# KiCad board Eclipse65.kicad_pcb
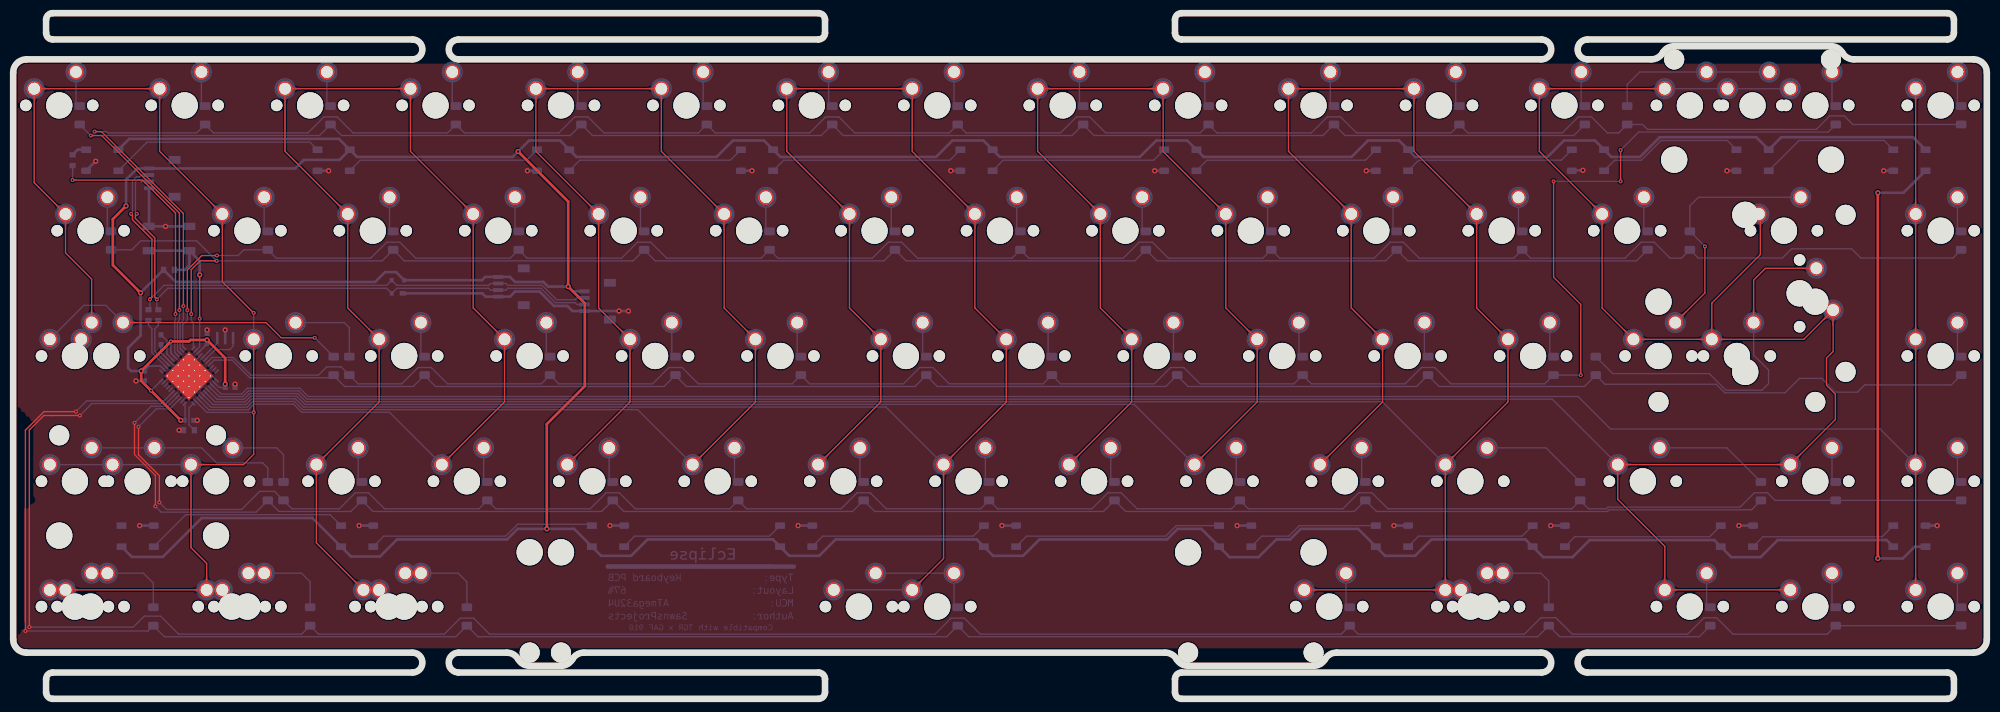
[diagram p0: board, top side]
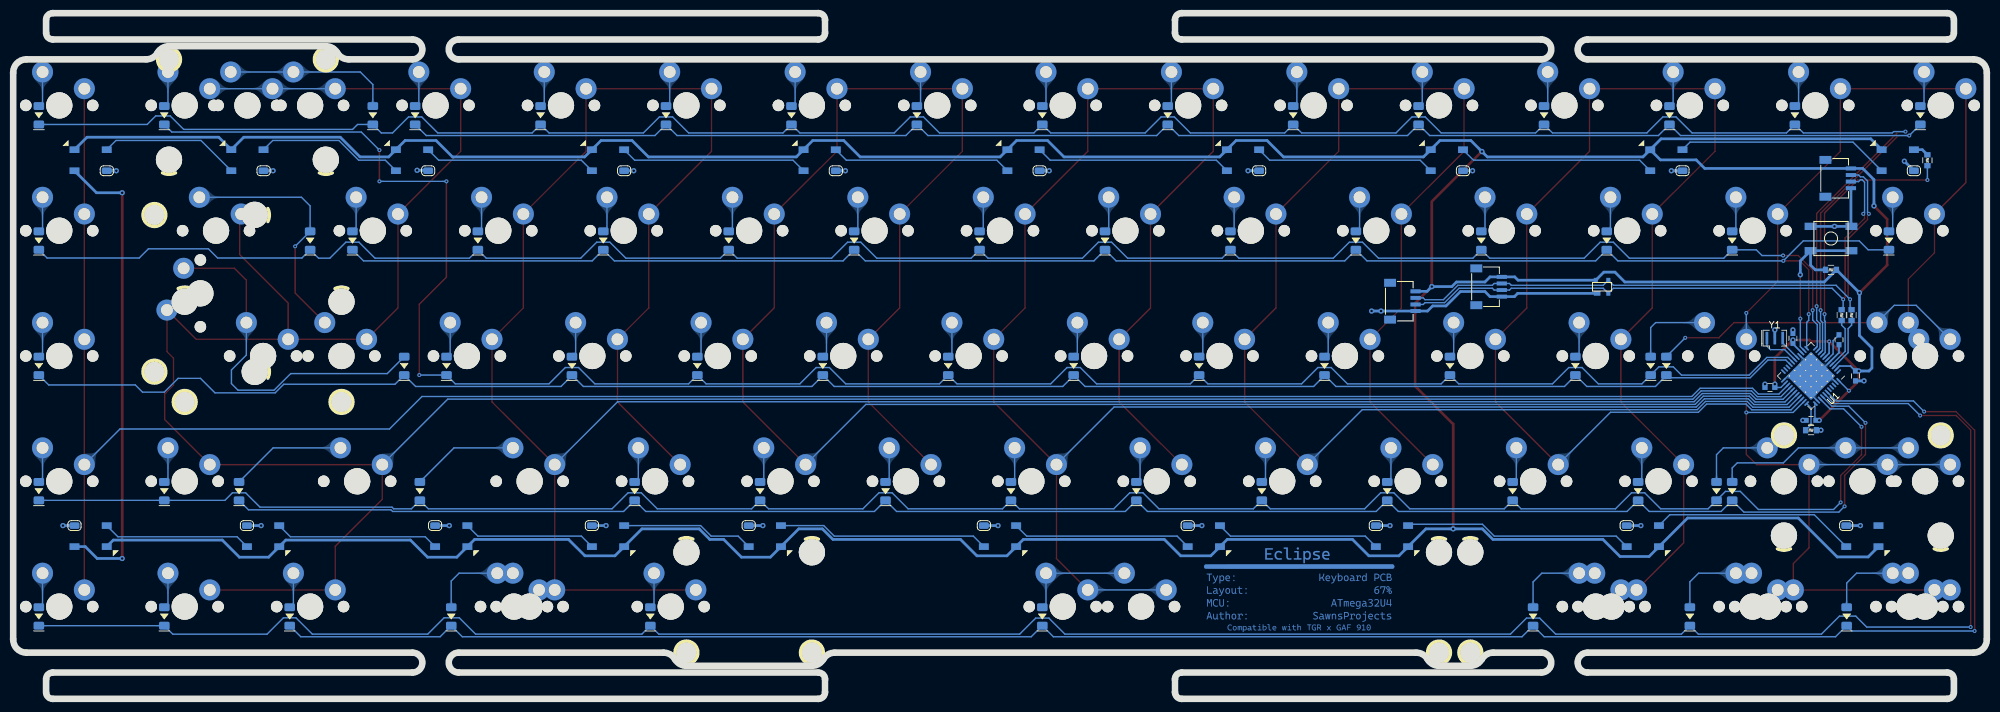
[diagram p1: board, bottom side, seen from below]

Outline 299.75 x 104.25 mm; copper layers: Top, Bottom. Coordinates in mm from the lower left corner of the outline.
Outline path: 0,95.22 0,9.03 arc(0.59,7.61) 2,7.03 60.64,7.03 arc(62.15,5.51) 60.64,4 6,4 arc(5.29,3.71) 5,3 5,1 arc(5.29,0.29) 6,0 122.3,0 arc(123.01,0.29) 123.3,1 123.3,3 arc(123.01,3.71) 122.3,4 67.66,4 arc(66.15,5.51) 67.66,7.03 74.97,7.03 arc(75.97,6.76) 76.7,6.03 arc(77.44,5.29) 78.44,5.02 83.2,5.02 arc(84.21,5.29) 84.94,6.03 arc(85.67,6.76) 86.67,7.03 174.97,7.03 arc(175.97,6.76) 176.7,6.03 arc(177.44,5.29) 178.44,5.02 197.5,5.02 arc(198.51,5.29) 199.24,6.03 arc(199.97,6.76) 200.97,7.03 232.09,7.03 arc(233.6,5.51) 232.09,4 177.45,4 arc(176.74,3.71) 176.45,3 176.45,1 arc(176.74,0.29) 177.45,0 293.75,0 arc(294.46,0.29) 294.75,1 294.75,3 arc(294.46,3.71) 293.75,4 239.11,4 arc(237.6,5.51) 239.11,7.03 297.75,7.03 arc(299.16,7.61) 299.75,9.03 299.75,95.22 arc(299.16,96.64) 297.75,97.22 279.55,97.22 arc(278.56,97.49) 277.82,98.22 arc(277.09,98.96) 276.08,99.23 252.27,99.23 arc(251.26,98.96) 250.53,98.22 arc(249.79,97.49) 248.8,97.22 239.11,97.22 arc(237.6,98.74) 239.11,100.25 293.75,100.25 arc(294.46,100.54) 294.75,101.25 294.75,103.25 arc(294.46,103.96) 293.75,104.25 177.45,104.25 arc(176.74,103.96) 176.45,103.25 176.45,101.25 arc(176.74,100.54) 177.45,100.25 232.09,100.25 arc(233.6,98.74) 232.09,97.22 67.66,97.22 arc(66.15,98.74) 67.66,100.25 122.3,100.25 arc(123.01,100.54) 123.3,101.25 123.3,103.25 arc(123.01,103.96) 122.3,104.25 6,104.25 arc(5.29,103.96) 5,103.25 5,101.25 arc(5.29,100.54) 6,100.25 60.64,100.25 arc(62.15,98.74) 60.64,97.22 2,97.22 arc(0.59,96.64) 0,95.22

## Placement (name value [footprint] x y rotation side)
C1  1uF  [C_0603]  22.45 54.59 270 bottom
C2  10uF  [C_0603]  19.95 49.09 90 bottom
C3  0.1uF  [C_0603]  32.95 47.34 180 bottom
C4  0.1uF  [C_0603]  26.7 42.34 180 bottom
C5  0.1uF  [C_0603]  29.45 54.81 270 bottom
D1  1N4148W  [DIODE_1206_SawnsProjects]  10.1 88.72 90 bottom
D2  1N4148W  [DIODE_1206_SawnsProjects]  29.15 88.72 90 bottom
D3  1N4148W  [DIODE_1206_SawnsProjects]  48.2 88.72 90 bottom
D4  1N4148W  [DIODE_1206_SawnsProjects]  67.25 88.72 90 bottom
D5  1N4148W  [DIODE_1206_SawnsProjects]  86.3 88.72 90 bottom
D6  1N4148W  [DIODE_1206_SawnsProjects]  105.35 88.72 90 bottom
D7  1N4148W  [DIODE_1206_SawnsProjects]  124.4 88.72 90 bottom
D8  1N4148W  [DIODE_1206_SawnsProjects]  143.45 88.72 90 bottom
D9  1N4148W  [DIODE_1206_SawnsProjects]  162.5 88.72 90 bottom
D10  1N4148W  [DIODE_1206_SawnsProjects]  181.55 88.72 90 bottom
D11  1N4148W  [DIODE_1206_SawnsProjects]  200.6 88.72 90 bottom
D12  1N4148W  [DIODE_1206_SawnsProjects]  219.65 88.72 90 bottom
D13  1N4148W  [DIODE_1206_SawnsProjects]  238.7 88.72 90 bottom
D14  1N4148W  [DIODE_1206_SawnsProjects]  245.13 88.72 90 bottom
D15  1N4148W  [DIODE_1206_SawnsProjects]  276.8 88.72 90 bottom
D16  1N4148W  [DIODE_1206_SawnsProjects]  202.98 12.52 90 bottom
D17  1N4148W  [DIODE_1206_SawnsProjects]  14.86 69.67 90 bottom
D18  1N4148W  [DIODE_1206_SawnsProjects]  38.67 69.67 90 bottom
D19  1N4148W  [DIODE_1206_SawnsProjects]  57.72 69.67 90 bottom
D20  1N4148W  [DIODE_1206_SawnsProjects]  76.77 69.67 90 bottom
D21  1N4148W  [DIODE_1206_SawnsProjects]  95.82 69.67 90 bottom
D22  1N4148W  [DIODE_1206_SawnsProjects]  114.87 69.67 90 bottom
D23  1N4148W  [DIODE_1206_SawnsProjects]  133.92 69.67 90 bottom
D24  1N4148W  [DIODE_1206_SawnsProjects]  152.97 69.67 90 bottom
D25  1N4148W  [DIODE_1206_SawnsProjects]  172.02 69.67 90 bottom
D26  1N4148W  [DIODE_1206_SawnsProjects]  191.07 69.67 90 bottom
D27  1N4148W  [DIODE_1206_SawnsProjects]  210.12 69.67 90 bottom
D28  1N4148W  [DIODE_1206_SawnsProjects]  229.17 69.67 90 bottom
D29  1N4148W  [DIODE_1206_SawnsProjects]  248.22 69.67 90 bottom
D30  1N4148W  [DIODE_1206_SawnsProjects]  254.65 69.67 90 bottom
D31  1N4148W  [DIODE_1206_SawnsProjects]  295.85 88.72 90 bottom
D32  1N4148W  [DIODE_1206_SawnsProjects]  295.85 69.67 90 bottom
D33  1N4148W  [DIODE_1206_SawnsProjects]  48.67 50.62 90 bottom
D34  1N4148W  [DIODE_1206_SawnsProjects]  51.05 50.62 90 bottom
D35  1N4148W  [DIODE_1206_SawnsProjects]  62.49 50.62 90 bottom
D36  1N4148W  [DIODE_1206_SawnsProjects]  81.54 50.62 90 bottom
D37  1N4148W  [DIODE_1206_SawnsProjects]  100.59 50.62 90 bottom
D38  1N4148W  [DIODE_1206_SawnsProjects]  119.64 50.62 90 bottom
D39  1N4148W  [DIODE_1206_SawnsProjects]  138.69 50.62 90 bottom
D40  1N4148W  [DIODE_1206_SawnsProjects]  157.74 50.62 90 bottom
D41  1N4148W  [DIODE_1206_SawnsProjects]  176.79 50.62 90 bottom
D42  1N4148W  [DIODE_1206_SawnsProjects]  195.84 50.62 90 bottom
D43  1N4148W  [DIODE_1206_SawnsProjects]  214.89 50.62 90 bottom
D44  1N4148W  [DIODE_1206_SawnsProjects]  233.94 50.62 90 bottom
D45  1N4148W  [DIODE_1206_SawnsProjects]  240.36 50.62 90 bottom
D46  1N4148W  [DIODE_1206_SawnsProjects]  295.85 50.62 90 bottom
D47  1N4148W  [DIODE_1206_SawnsProjects]  295.85 31.57 90 bottom
D48  1N4148W  [DIODE_1206_SawnsProjects]  295.85 12.52 90 bottom
D49  1N4148W  [DIODE_1206_SawnsProjects]  38.67 31.57 90 bottom
D50  1N4148W  [DIODE_1206_SawnsProjects]  41.06 31.57 90 bottom
D51  1N4148W  [DIODE_1206_SawnsProjects]  52.96 31.57 90 bottom
D52  1N4148W  [DIODE_1206_SawnsProjects]  72.01 31.57 90 bottom
D53  1N4148W  [DIODE_1206_SawnsProjects]  91.06 31.57 90 bottom
D54  1N4148W  [DIODE_1206_SawnsProjects]  110.11 31.57 90 bottom
D55  1N4148W  [DIODE_1206_SawnsProjects]  129.16 31.57 90 bottom
D56  1N4148W  [DIODE_1206_SawnsProjects]  148.21 31.57 90 bottom
D57  1N4148W  [DIODE_1206_SawnsProjects]  167.26 31.57 90 bottom
D58  1N4148W  [DIODE_1206_SawnsProjects]  186.31 31.57 90 bottom
D59  1N4148W  [DIODE_1206_SawnsProjects]  205.36 31.57 90 bottom
D60  1N4148W  [DIODE_1206_SawnsProjects]  237.98 31.57 90 bottom
D62  1N4148W  [DIODE_1206_SawnsProjects]  265.45 31.57 90 bottom
D63  1N4148W  [DIODE_1206_SawnsProjects]  276.8 31.57 90 bottom
D65  1N4148W  [DIODE_1206_SawnsProjects]  21.29 12.52 90 bottom
D66  1N4148W  [DIODE_1206_SawnsProjects]  45.1 12.52 90 bottom
D67  1N4148W  [DIODE_1206_SawnsProjects]  68.91 12.52 90 bottom
D68  1N4148W  [DIODE_1206_SawnsProjects]  233.22 12.52 90 bottom
D69  1N4148W  [DIODE_1206_SawnsProjects]  143.45 12.52 90 bottom
D71  1N4148W  [DIODE_1206_SawnsProjects]  257.75 12.52 90 bottom
D72  1N4148W  [DIODE_1206_SawnsProjects]  276.8 12.52 90 bottom
Eclipse  LOGO  [Eclipse]  101.64 16.34 0 top
G***  LOGO  [sanpjxlogo]  165.44 15.44 0 top
G***#2  LOGO  [Eclipse65]  104.44 16.56 180 bottom
G***#3  LOGO  [Eclipse65Cu]  104.44 16.56 180 bottom
J1  Daughterboard  [JST-SR-4]  91.53 60.46 270 bottom
J2  Daughterboard  [JST-SR-4]  25.41 79.14 270 bottom
J3  Daughterboard  [JST-SR-4]  78.44 62.65 270 bottom
MX1  1U  [MXOnly-1U-NoLED]  7 90.22 0 top
MX2  1U  [MXOnly-1U-NoLED]  26.05 90.22 0 top
MX3  1U  [MXOnly-1U-NoLED]  45.1 90.22 0 top
MX4  1U  [MXOnly-1U-NoLED]  64.15 90.22 0 top
MX5  1U  [MXOnly-1U-NoLED]  83.2 90.22 0 top
MX6  1U  [MXOnly-1U-NoLED]  102.25 90.22 0 top
MX7  1U  [MXOnly-1U-NoLED]  121.3 90.22 0 top
MX8  1U  [MXOnly-1U-NoLED]  140.35 90.22 0 top
MX9  1U  [MXOnly-1U-NoLED]  159.4 90.22 0 top
MX10  1U  [MXOnly-1U-NoLED]  178.45 90.22 0 top
MX11  1U  [MXOnly-1U-NoLED]  197.5 90.22 0 top
MX12  1U  [MXOnly-1U-NoLED]  216.55 90.22 0 top
MX13  1U  [MXOnly-1U-NoLED]  235.6 90.22 0 top
MX14  1U  [MXOnly-1U-NoLED]  254.65 90.22 0 top
MX15  1U  [MXOnly-1U-NoLED]  273.7 90.22 0 top
MX16  1.5U  [MXOnly-1.5U-NoLED]  221.31 14.02 0 top
MX17  1.5U  [MXOnly-1.5U-NoLED]  11.76 71.17 0 top
MX18  1U  [MXOnly-1U-NoLED]  35.58 71.17 0 top
MX19  1U  [MXOnly-1U-NoLED]  54.63 71.17 0 top
MX20  1U  [MXOnly-1U-NoLED]  73.68 71.17 0 top
MX21  1U  [MXOnly-1U-NoLED]  92.73 71.17 0 top
MX22  1U  [MXOnly-1U-NoLED]  111.78 71.17 0 top
MX23  1U  [MXOnly-1U-NoLED]  130.83 71.17 0 top
MX24  1U  [MXOnly-1U-NoLED]  149.88 71.17 0 top
MX25  1U  [MXOnly-1U-NoLED]  168.93 71.17 0 top
MX26  1U  [MXOnly-1U-NoLED]  187.98 71.17 0 top
MX27  1U  [MXOnly-1U-NoLED]  207.03 71.17 0 top
MX28  1U  [MXOnly-1U-NoLED]  226.08 71.17 0 top
MX29  1U  [MXOnly-1U-NoLED]  245.13 71.17 0 top
MX30  1.5U  [MXOnly-1.5U-NoLED]  268.94 71.17 0 top
MX31  2.25U  [MXOnly-2.25U-NoLED]  18.91 33.07 0 top
MX33  1.75U  [MXOnly-1.75U-NoLED]  14.14 52.12 0 top
MX34  1U  [MXOnly-1U-NoLED]  40.34 52.12 0 top
MX35  1U  [MXOnly-1U-NoLED]  59.39 52.12 0 top
MX36  1U  [MXOnly-1U-NoLED]  78.44 52.12 0 top
MX37  1U  [MXOnly-1U-NoLED]  97.49 52.12 0 top
MX38  1U  [MXOnly-1U-NoLED]  116.54 52.12 0 top
MX39  1U  [MXOnly-1U-NoLED]  135.59 52.12 0 top
MX40  1U  [MXOnly-1U-NoLED]  154.64 52.12 0 top
MX41  1U  [MXOnly-1U-NoLED]  173.69 52.12 0 top
MX42  1U  [MXOnly-1U-NoLED]  192.74 52.12 0 top
MX43  1U  [MXOnly-1U-NoLED]  211.79 52.12 0 top
MX44  1U  [MXOnly-1U-NoLED]  230.84 52.12 0 top
MX45  2.25U  [MXOnly-2.25U-ReversedStabilizers-NoLED]  261.79 52.12 0 top
MX46  1U  [MXOnly-2U-NoLED]  264.18 90.22 0 top
MX49  1.25U  [MXOnly-1.25U-NoLED]  9.38 33.07 0 top
MX50  1U  [MXOnly-1U-NoLED]  30.81 33.07 0 top
MX51  1U  [MXOnly-1U-NoLED]  49.86 33.07 0 top
MX52  1U  [MXOnly-1U-NoLED]  68.91 33.07 0 top
MX53  1U  [MXOnly-1U-NoLED]  87.96 33.07 0 top
MX54  1U  [MXOnly-1U-NoLED]  107.01 33.07 0 top
MX55  1U  [MXOnly-1U-NoLED]  126.06 33.07 0 top
MX56  1U  [MXOnly-1U-NoLED]  145.11 33.07 0 top
MX57  1U  [MXOnly-1U-NoLED]  164.16 33.07 0 top
MX58  1U  [MXOnly-1U-NoLED]  183.21 33.07 0 top
MX59  1U  [MXOnly-1U-NoLED]  202.26 33.07 0 top
MX60  1U  [MXOnly-1U-NoLED]  221.31 33.07 0 top
MX62  1.75U  [MXOnly-1.75U-NoLED]  247.51 33.07 0 top
MX63  1U  [MXOnly-1U-NoLED]  273.7 33.07 0 top
MX64  1.25U  [MXOnly-1.25U-NoLED]  199.88 14.02 0 top
MX65  1.25U  [MXOnly-1.25U-NoLED]  9.38 52.12 0 top
MX66  1.25U  [MXOnly-1.25U-NoLED]  9.38 14.02 0 top
MX67  1.25U  [MXOnly-1.25U-NoLED]  33.19 14.02 0 top
MX68  1.25U  [MXOnly-1.25U-NoLED]  57.01 14.02 0 top
MX69  1.25U  [MXOnly-1.25U-NoLED]  223.69 14.02 0 top
MX70  6.25U  [MXOnly-6.25U-ReversedStabilizers-NoLED]  128.44 14.02 0 top
MX71  1U  [MXOnly-1U-NoLED]  273.7 14.02 0 top
MX72  1U  [MXOnly-1U-NoLED]  254.65 14.02 0 top
MX79  7U  [MXOnly-7U-ReversedStabilizers-NoLED]  140.35 14.02 0 top
MX80  1.5U  [MXOnly-1.5U-NoLED]  11.76 14.02 0 top
MX81  1.5U  [MXOnly-1.5U-NoLED]  59.39 14.02 0 top
MX82  1U  [MXOnly-1U-NoLED]  35.58 14.02 0 top
MX83  1U  [MXOnly-1U-NoLED]  249.89 52.12 0 top
MX84  ISO  [MXOnly-ISO-ROTATED-ReversedStabilizers-NoLED]  271.32 61.65 0 top
MX85  1U  [MXOnly-1U-NoLED]  292.75 90.22 0 top
MX86  1U  [MXOnly-1U-NoLED]  292.75 14.02 0 top
MX88  1U  [MXOnly-1U-NoLED]  292.75 71.17 0 top
MX89  1U  [MXOnly-1U-NoLED]  292.75 52.12 0 top
MX90  1U  [MXOnly-1U-NoLED]  292.75 33.07 0 top
R1  10k  [R_0603]  26.7 40.84 0 bottom
R2  22R  [R_0603]  22.04 58.34 90 bottom
R3  22R  [R_0603]  20.54 58.34 270 bottom
R4  10k  [R_0603]  23.67 65.22 0 bottom
R5  300R  [R_0603]  9.03 81.89 90 bottom
RGB1  WS2812B  [LED_WS2812B_PLCC4_5.0x5.0mm_P3.2mm]  13.53 81.89 180 bottom
RGB2  WS2812B  [LED_WS2812B_PLCC4_5.0x5.0mm_P3.2mm]  48.67 81.89 180 bottom
RGB3  WS2812B  [LED_WS2812B_PLCC4_5.0x5.0mm_P3.2mm]  82.01 81.89 180 bottom
RGB4  WS2812B  [LED_WS2812B_PLCC4_5.0x5.0mm_P3.2mm]  112.97 81.89 180 bottom
RGB5  WS2812B  [LED_WS2812B_PLCC4_5.0x5.0mm_P3.2mm]  146.3 81.89 180 bottom
RGB6  WS2812B  [LED_WS2812B_PLCC4_5.0x5.0mm_P3.2mm]  177.26 81.89 180 bottom
RGB7  WS2812B  [LED_WS2812B_PLCC4_5.0x5.0mm_P3.2mm]  209.41 81.89 180 bottom
RGB8  WS2812B  [LED_WS2812B_PLCC4_5.0x5.0mm_P3.2mm]  239.17 81.89 180 bottom
RGB9  WS2812B  [LED_WS2812B_PLCC4_5.0x5.0mm_P3.2mm]  264.18 81.89 180 bottom
RGB10  WS2812B  [LED_WS2812B_PLCC4_5.0x5.0mm_P3.2mm]  18.91 24.74 0 bottom
RGB11  WS2812B  [LED_WS2812B_PLCC4_5.0x5.0mm_P3.2mm]  52.24 24.74 0 bottom
RGB12  WS2812B  [LED_WS2812B_PLCC4_5.0x5.0mm_P3.2mm]  90.34 24.74 0 bottom
RGB13  WS2812B  [LED_WS2812B_PLCC4_5.0x5.0mm_P3.2mm]  118.92 24.74 0 bottom
RGB14  WS2812B  [LED_WS2812B_PLCC4_5.0x5.0mm_P3.2mm]  149.88 24.74 0 bottom
RGB15  WS2812B  [LED_WS2812B_PLCC4_5.0x5.0mm_P3.2mm]  185.59 24.74 0 bottom
RGB16  WS2812B  [LED_WS2812B_PLCC4_5.0x5.0mm_P3.2mm]  209.41 24.74 0 bottom
RGB17  WS2812B  [LED_WS2812B_PLCC4_5.0x5.0mm_P3.2mm]  233.22 24.74 0 bottom
RGB18  WS2812B  [LED_WS2812B_PLCC4_5.0x5.0mm_P3.2mm]  261.79 24.74 0 bottom
RGB19  WS2812B  [LED_WS2812B_PLCC4_5.0x5.0mm_P3.2mm]  287.99 81.89 180 bottom
RGB20  WS2812B  [LED_WS2812B_PLCC4_5.0x5.0mm_P3.2mm]  287.99 24.74 0 bottom
SW1  SW_Push  [SKQG-1155865-fix]  23.67 69.98 0 bottom
U1  ATmega32U4-MU  [QFN-44-1EP_7x7mm_P0.5mm_EP5.15x5.15mm_ThermalVias]  26.7 49.09 315 bottom
U2  PRTR5V0U2X  [SOT143B]  58.44 62.65 90 bottom
Y1  16MHz  [Resonator_SMD_muRata_CSTxExxV-3Pin_3.0x1.1mm]  32.2 54.84 180 bottom

## Footprints (pads in the part's own frame, mm; a bottom-side part is the same pattern mirrored in y, then rotated)
C_0603
  rect 0.8x0.75 smd: 1(-0.75,0) 2(0.75,0)
DIODE_1206_SawnsProjects
  rrect 1.2x1.6 smd: 1(-1.4,0) 2(1.4,0)
JST-SR-4
  rect 1.2x1.8 smd: (-2.8,0.9) (2.8,0.9)
  rect 0.6x1.55 smd: 1(-1.5,4.775) 2(-0.5,4.775) 3(0.5,4.775) 4(1.5,4.775)
LED_WS2812B_PLCC4_5.0x5.0mm_P3.2mm
  rect 1.5x1 smd: 1(-2.45,1.6) 2(-2.45,-1.6) 4(2.45,1.6)
  rrect 1.5x1 smd: 3(2.45,-1.6)
MXOnly-1.5U-NoLED
  round 1.75 hole 1.75 unplated: (-5.08,0) (5.08,0)
  round 2.8 smd: (-3.81,2.54) (2.54,5.08)
  round 3.988 hole 3.988 unplated: (0,0)
  round 1 smd: (3.099,0)
  round 2.4 hole 1.8: 1(-3.81,2.54) 2(2.54,5.08)
  round 3.2 smd far side: 1(-3.81,2.54) 2(2.54,5.08)
MXOnly-1.25U-NoLED
  round 1.75 hole 1.75 unplated: (-5.08,0) (5.08,0)
  round 2.8 smd: (-3.81,2.54) (2.54,5.08)
  round 3.988 hole 3.988 unplated: (0,0)
  round 1 smd: (3.099,0)
  round 2.4 hole 1.8: 1(-3.81,2.54) 2(2.54,5.08)
  round 3.2 smd far side: 1(-3.81,2.54) 2(2.54,5.08)
MXOnly-1.75U-NoLED
  round 1.75 hole 1.75 unplated: (-5.08,0) (5.08,0)
  round 2.8 smd: (-3.81,2.54) (2.54,5.08)
  round 3.988 hole 3.988 unplated: (0,0)
  round 1 smd: (3.099,0)
  round 2.4 hole 1.8: 1(-3.81,2.54) 2(2.54,5.08)
  round 3.2 smd far side: 1(-3.81,2.54) 2(2.54,5.08)
MXOnly-1U-NoLED
  round 1.75 hole 1.75 unplated: (-5.08,0) (5.08,0)
  round 2.8 smd: (-3.81,2.54) (2.54,5.08)
  round 3.988 hole 3.988 unplated: (0,0)
  round 1 smd: (3.099,0)
  round 2.4 hole 1.8: 1(-3.81,2.54) 2(2.54,5.08)
  round 3.2 smd far side: 1(-3.81,2.54) 2(2.54,5.08)
MXOnly-2.25U-NoLED
  round 3.048 hole 3.048 unplated: (-11.906,6.985) (11.906,6.985)
  round 3.988 hole 3.988 unplated: (-11.906,-8.255) (0,0) (11.906,-8.255)
  round 1.75 hole 1.75 unplated: (-5.08,0) (5.08,0)
  round 2.8 smd: (-3.81,2.54) (2.54,5.08)
  round 1 smd: (3.099,0)
  round 2.4 hole 1.8: 1(-3.81,2.54) 2(2.54,5.08)
  round 3.2 smd far side: 1(-3.81,2.54) 2(2.54,5.08)
MXOnly-2.25U-ReversedStabilizers-NoLED
  round 3.988 hole 3.988 unplated: (-11.906,8.255) (0,0) (11.906,8.255)
  round 3.048 hole 3.048 unplated: (-11.906,-6.985) (11.906,-6.985)
  round 1.75 hole 1.75 unplated: (-5.08,0) (5.08,0)
  round 2.8 smd: (-3.81,2.54) (2.54,5.08)
  round 1 smd: (3.099,0)
  round 2.4 hole 1.8: 1(-3.81,2.54) 2(2.54,5.08)
  round 3.2 smd far side: 1(-3.81,2.54) 2(2.54,5.08)
MXOnly-2U-NoLED
  round 3.048 hole 3.048 unplated: (-11.906,6.985) (11.906,6.985)
  round 3.988 hole 3.988 unplated: (-11.906,-8.255) (0,0) (11.906,-8.255)
  round 1.75 hole 1.75 unplated: (-5.08,0) (5.08,0)
  round 2.8 smd: (-3.81,2.54) (2.54,5.08)
  round 1 smd: (3.099,0)
  round 2.4 hole 1.8: 1(-3.81,2.54) 2(2.54,5.08)
  round 3.2 smd far side: 1(-3.81,2.54) 2(2.54,5.08)
MXOnly-6.25U-ReversedStabilizers-NoLED
  round 3.988 hole 3.988 unplated: (-50,8.255) (0,0) (50,8.255)
  round 3.048 hole 3.048 unplated: (-50,-6.985) (50,-6.985)
  round 1.75 hole 1.75 unplated: (-5.08,0) (5.08,0)
  round 2.8 smd: (-3.81,2.54) (2.54,5.08)
  round 1 smd: (3.099,0)
  round 2.4 hole 1.8: 1(-3.81,2.54) 2(2.54,5.08)
  round 3.2 smd far side: 1(-3.81,2.54) 2(2.54,5.08)
MXOnly-7U-ReversedStabilizers-NoLED
  round 3.988 hole 3.988 unplated: (-57.15,8.255) (0,0) (57.15,8.255)
  round 3.048 hole 3.048 unplated: (-57.15,-6.985) (57.15,-6.985)
  round 1.75 hole 1.75 unplated: (-5.08,0) (5.08,0)
  round 2.8 smd: (-3.81,2.54) (2.54,5.08)
  round 1 smd: (3.099,0)
  round 2.4 hole 1.8: 1(-3.81,2.54) 2(2.54,5.08)
  round 3.2 smd far side: 1(-3.81,2.54) 2(2.54,5.08)
MXOnly-ISO-ROTATED-ReversedStabilizers-NoLED
  round 3.988 hole 3.988 unplated: (-8.255,11.938) (-8.255,-11.938) (0,0)
  round 1.75 hole 1.75 unplated: (0,5.08) (0,-5.08)
  round 1 smd: (0,-3.099)
  round 2.8 smd: (2.54,3.81) (5.08,-2.54)
  round 3.048 hole 3.048 unplated: (6.985,11.938) (6.985,-11.938)
  round 2.4 hole 1.8: 1(2.54,3.81) 2(5.08,-2.54)
  round 3.2 smd far side: 1(2.54,3.81) 2(5.08,-2.54)
QFN-44-1EP_7x7mm_P0.5mm_EP5.15x5.15mm_ThermalVias
  rrect 0.997x0.997 smd: (-1.744,-1.744) (-1.744,-0.581) (-1.744,0.581) (-1.744,1.744) (-0.581,-1.744) (-0.581,-0.581) (-0.581,0.581) (-0.581,1.744) (0.581,-1.744) (0.581,-0.581) (0.581,0.581) (0.581,1.744) (1.744,-1.744) (1.744,-0.581) (1.744,0.581) (1.744,1.744)
  rrect 0.875x0.25 smd: 1(-3.438,2.5) 2(-3.438,2) 3(-3.438,1.5) 4(-3.438,1) 5(-3.438,0.5) 6(-3.438,0) 7(-3.438,-0.5) 8(-3.438,-1) 9(-3.438,-1.5) 10(-3.438,-2) 11(-3.438,-2.5) 23(3.438,-2.5) 24(3.438,-2) 25(3.438,-1.5) 26(3.438,-1) 27(3.438,-0.5) 28(3.438,0) 29(3.438,0.5) 30(3.438,1) 31(3.438,1.5) 32(3.438,2) 33(3.438,2.5)
  rrect 0.25x0.875 smd: 12(-2.5,-3.438) 13(-2,-3.438) 14(-1.5,-3.438) 15(-1,-3.438) 16(-0.5,-3.438) 17(0,-3.438) 18(0.5,-3.438) 19(1,-3.438) 20(1.5,-3.438) 21(2,-3.438) 22(2.5,-3.438) 34(2.5,3.438) 35(2,3.438) 36(1.5,3.438) 37(1,3.438) 38(0.5,3.438) 39(0,3.438) 40(-0.5,3.438) 41(-1,3.438) 42(-1.5,3.438) 43(-2,3.438) 44(-2.5,3.438)
  round 0.5 hole 0.2: 45(-2.325,-2.325) 45(-2.325,-1.163) 45(-2.325,0) 45(-2.325,1.163) 45(-2.325,2.325) 45(-1.163,0) 45(-1.163,-2.325) 45(-1.163,-1.163) 45(-1.163,1.163) 45(-1.163,2.325) 45(0,-2.325) 45(0,-1.163) 45(0,0) 45(0,1.163) 45(0,2.325) 45(1.163,-2.325) 45(1.163,-1.163) 45(1.163,1.163) 45(1.163,2.325) 45(1.163,0) 45(2.325,-2.325) 45(2.325,-1.163) 45(2.325,0) 45(2.325,1.163) 45(2.325,2.325)
  rect 5.15x5.15 smd far side: 45(0,0)
  rect 5.15x5.15 smd: 45(0,0)
R_0603
  rect 0.8x0.95 smd: 1(-0.825,0) 2(0.825,0)
Resonator_SMD_muRata_CSTxExxV-3Pin_3.0x1.1mm
  rect 0.4x1.9 smd: 1(-1.2,0) 2(0,0) 3(1.2,0)
SKQG-1155865-fix
  rect 1.8x1.1 smd: 1(-3.1,-1.85) 1(3.1,-1.85) 2(-3.1,1.85) 2(3.1,1.85)
SOT143B
  rect 0.7x1 smd: 1(-1,0.75)
  rect 0.7x0.6 smd: 2(-1,-0.95) 3(1,-0.95) 4(1,0.95)

## Nets
+5V: C2.2 C3.2 C4.2 C5.2 J1.1 J2.1 J3.1 R4.1 RGB1.1 RGB2.1 RGB3.1 RGB4.1 RGB5.1 RGB6.1 RGB7.1 RGB8.1 RGB9.1 RGB10.1 RGB11.1 RGB12.1 RGB13.1 RGB14.1 RGB15.1 RGB16.1 RGB17.1 RGB18.1 RGB19.1 RGB20.1 U1.2 U1.7 U1.14 U1.24 U1.34 U1.44 U2.4
GND: C1.2 C2.1 C3.1 C4.1 C5.1 J1.4 J2.4 J3.4 R1.1 RGB1.3 RGB2.3 RGB3.3 RGB4.3 RGB5.3 RGB6.3 RGB7.3 RGB8.3 RGB9.3 RGB10.3 RGB11.3 RGB12.3 RGB13.3 RGB14.3 RGB15.3 RGB16.3 RGB17.3 RGB18.3 RGB19.3 RGB20.3 SW1.1 U1.5 U1.15 U1.23 U1.35 U1.43 U1.45 U2.1 Y1.2
/M+: R2.1 U1.4
/M-: R3.2 U1.3
C0: MX1.1 MX2.1 MX17.1 MX18.1 MX31.1 MX33.1 MX34.1 MX49.1 MX50.1 MX65.2 MX66.1 MX67.1 MX80.1 MX82.1 U1.32
C1: MX3.1 MX4.1 MX19.1 MX20.1 MX35.1 MX36.1 MX51.1 MX52.1 MX68.1 MX81.1 U1.31
C2: MX5.1 MX6.1 MX21.1 MX22.1 MX37.1 MX38.1 MX53.1 MX54.1 U1.30
C3: MX7.1 MX8.1 MX23.1 MX24.1 MX39.1 MX40.1 MX55.1 MX56.1 MX70.1 MX79.1 U1.29
C4: MX9.1 MX10.1 MX25.1 MX26.1 MX41.1 MX42.1 MX57.1 MX58.1 U1.28
C5: MX11.1 MX12.1 MX16.1 MX27.1 MX28.1 MX43.1 MX44.1 MX59.1 MX60.1 MX64.1 MX69.1 U1.27
C6: MX13.1 MX14.1 MX15.1 MX29.1 MX30.1 MX45.1 MX46.1 MX62.1 MX63.1 MX71.1 MX72.1 MX83.1 MX84.2 U1.26
C7: MX85.1 MX86.1 MX88.1 MX89.1 MX90.1 U1.25
D+: J1.3 J2.3 J3.3 R2.2 U2.2
D-: J1.2 J2.2 J3.2 R3.1 U2.3
R0: D1.1 D3.1 D5.1 D7.1 D9.1 D11.1 D13.1 U1.9
R1: D2.1 D4.1 D6.1 D8.1 D10.1 D12.1 D14.1 D31.1 U1.10
R2: D17.1 D19.1 D21.1 D23.1 D25.1 D27.1 D29.1 U1.12
R3: D18.1 D20.1 D22.1 D24.1 D26.1 D28.1 D30.1 D32.1 U1.11
R4: D33.1 D35.1 D37.1 D39.1 D41.1 D43.1 D45.1 D46.1 U1.19
R5: D15.1 D34.1 D36.1 D38.1 D40.1 D42.1 D44.1 U1.18
R6: D49.1 D51.1 D53.1 D55.1 D57.1 D59.1 D62.1 U1.37
R7: D47.1 D50.1 D52.1 D54.1 D56.1 D58.1 D60.1 D63.1 U1.36
R8: D65.1 D67.1 D68.1 D69.1 D71.1 U1.39
R9: D16.1 D48.1 D66.1 D72.1 U1.38
RGB: R5.2 RGB1.4
Net-(C1-Pad1): C1.1 U1.6
Net-(D1-Pad2): D1.2 MX1.2
Net-(D2-Pad2): D2.2 MX2.2
Net-(D3-Pad2): D3.2 MX3.2
Net-(D4-Pad2): D4.2 MX4.2
Net-(D5-Pad2): D5.2 MX5.2
Net-(D6-Pad2): D6.2 MX6.2
Net-(D7-Pad2): D7.2 MX7.2
Net-(D8-Pad2): D8.2 MX8.2
Net-(D9-Pad2): D9.2 MX9.2
Net-(D10-Pad2): D10.2 MX10.2
Net-(D11-Pad2): D11.2 MX11.2
Net-(D12-Pad2): D12.2 MX12.2
Net-(D13-Pad2): D13.2 MX13.2
Net-(D14-Pad2): D14.2 MX14.2 MX46.2
Net-(D15-Pad2): D15.2 MX15.2
Net-(D16-Pad2): D16.2 MX64.2
Net-(D17-Pad2): D17.2 MX17.2
Net-(D18-Pad2): D18.2 MX18.2
Net-(D19-Pad2): D19.2 MX19.2
Net-(D20-Pad2): D20.2 MX20.2
Net-(D21-Pad2): D21.2 MX21.2
Net-(D22-Pad2): D22.2 MX22.2
Net-(D23-Pad2): D23.2 MX23.2
Net-(D24-Pad2): D24.2 MX24.2
Net-(D25-Pad2): D25.2 MX25.2
Net-(D26-Pad2): D26.2 MX26.2
Net-(D27-Pad2): D27.2 MX27.2
Net-(D28-Pad2): D28.2 MX28.2
Net-(D29-Pad2): D29.2 MX29.2
Net-(D30-Pad2): D30.2 MX30.2 MX83.2
Net-(D31-Pad2): D31.2 MX85.2
Net-(D32-Pad2): D32.2 MX88.2
Net-(D33-Pad2): D33.2 MX33.2 MX65.1
Net-(D34-Pad2): D34.2 MX34.2
Net-(D35-Pad2): D35.2 MX35.2
Net-(D36-Pad2): D36.2 MX36.2
Net-(D37-Pad2): D37.2 MX37.2
Net-(D38-Pad2): D38.2 MX38.2
Net-(D39-Pad2): D39.2 MX39.2
Net-(D40-Pad2): D40.2 MX40.2
Net-(D41-Pad2): D41.2 MX41.2
Net-(D42-Pad2): D42.2 MX42.2
Net-(D43-Pad2): D43.2 MX43.2
Net-(D44-Pad2): D44.2 MX44.2
Net-(D45-Pad2): D45.2 MX45.2 MX84.1
Net-(D46-Pad2): D46.2 MX89.2
Net-(D47-Pad2): D47.2 MX90.2
Net-(D48-Pad2): D48.2 MX86.2
Net-(D49-Pad2): D49.2 MX31.2 MX49.2
Net-(D50-Pad2): D50.2 MX50.2
Net-(D51-Pad2): D51.2 MX51.2
Net-(D52-Pad2): D52.2 MX52.2
Net-(D53-Pad2): D53.2 MX53.2
Net-(D54-Pad2): D54.2 MX54.2
Net-(D55-Pad2): D55.2 MX55.2
Net-(D56-Pad2): D56.2 MX56.2
Net-(D57-Pad2): D57.2 MX57.2
Net-(D58-Pad2): D58.2 MX58.2
Net-(D59-Pad2): D59.2 MX59.2
Net-(D60-Pad2): D60.2 MX60.2
Net-(D62-Pad2): D62.2 MX62.2
Net-(D63-Pad2): D63.2 MX63.2
Net-(D65-Pad2): D65.2 MX66.2 MX80.2
Net-(D66-Pad2): D66.2 MX67.2 MX82.2
Net-(D67-Pad2): D67.2 MX68.2 MX81.2
Net-(D68-Pad2): D68.2 MX16.2 MX69.2
Net-(D69-Pad2): D69.2 MX70.2 MX79.2
Net-(D71-Pad2): D71.2 MX72.2
Net-(D72-Pad2): D72.2 MX71.2
Net-(R1-Pad2): R1.2 U1.33
Net-(R4-Pad2): R4.2 SW1.2 U1.13
Net-(R5-Pad1): R5.1 U1.8